# KiCad board kimotor-project.kicad_pcb (continued)
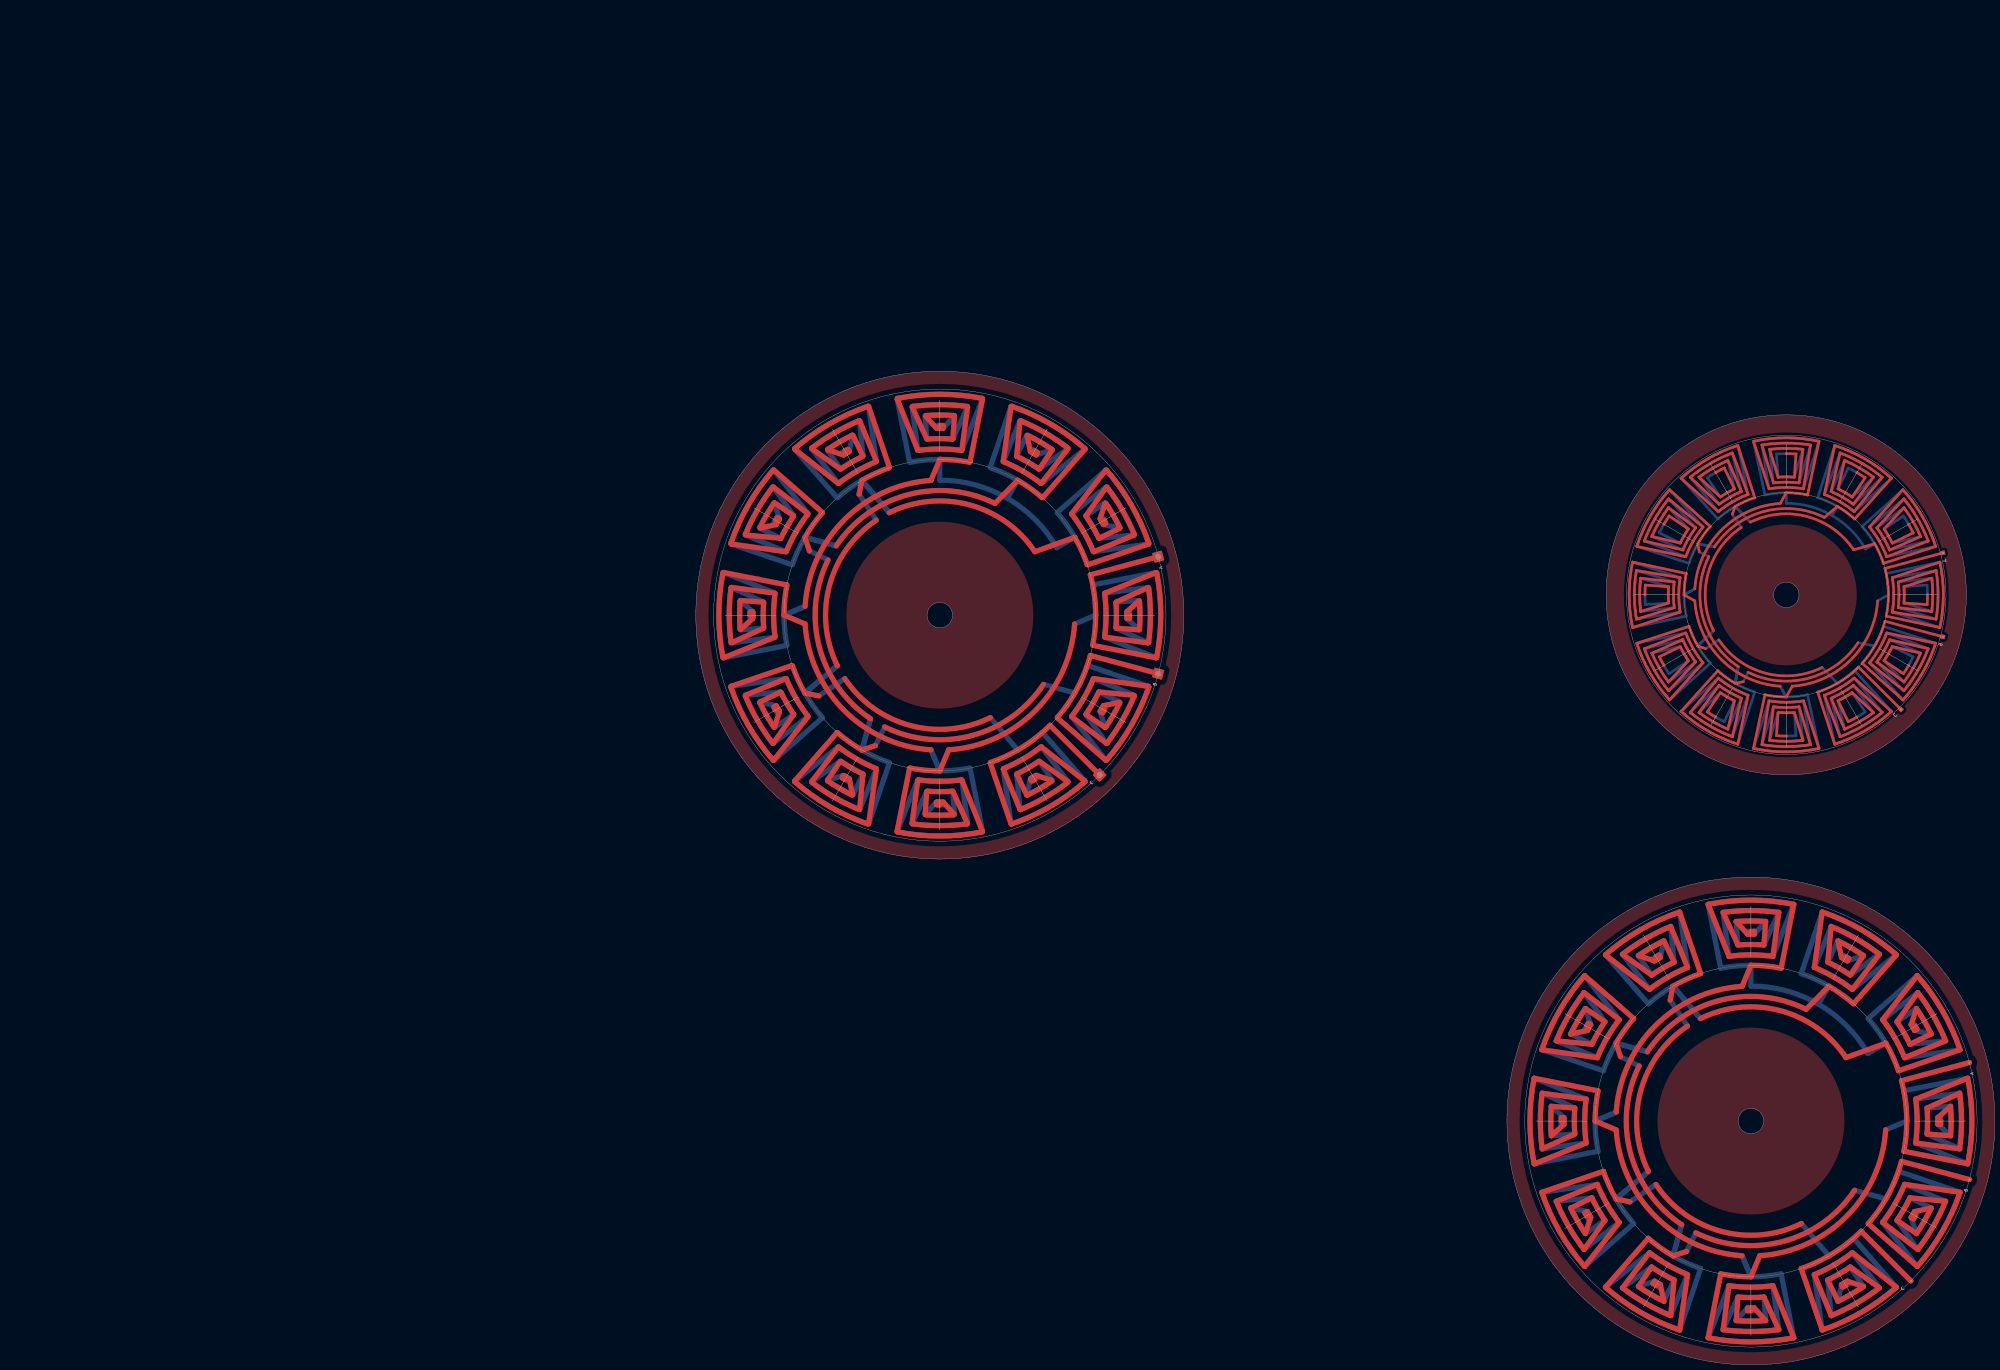
[diagram p0: board, top side]
## Routing (per net, layer and track width the routed paths; a pad name or vN(x,y) marks a point on that pad's centre or on a via; arc(x,y) is an arc through that point) (continued)

## Copper pours and planes (outline as drawn; the poured copper is in the pictures)
gnd on Top, Bottom, In1.Cu, In2.Cu: 454.43,301.57 454.37,299.84 454.21,298.11 453.94,296.4 453.56,294.71 453.08,293.04 452.49,291.41 451.8,289.82 451.01,288.28 450.13,286.78 449.16,285.35 448.1,283.98 446.95,282.68 445.72,281.45 444.42,280.31 443.05,279.25 441.62,278.27 440.13,277.39 438.58,276.6 436.99,275.91 435.36,275.33 433.7,274.84 432.01,274.46 430.29,274.19 428.57,274.03 426.84,273.98 425.1,274.03 423.38,274.19 421.67,274.46 419.97,274.84 418.31,275.33 416.68,275.91 415.09,276.6 413.54,277.39 412.05,278.27 410.62,279.25 409.25,280.31 407.95,281.45 406.72,282.68 405.58,283.98 404.51,285.35 403.54,286.78 402.66,288.28 401.87,289.82 401.18,291.41 400.59,293.04 400.11,294.71 399.73,296.4 399.46,298.11 399.3,299.84 399.24,301.57 399.3,303.3 399.46,305.03 399.73,306.74 400.11,308.43 400.59,310.09 401.18,311.73 401.87,313.32 402.66,314.86 403.54,316.35 404.51,317.79 405.58,319.16 406.72,320.46 407.95,321.68 409.25,322.83 410.62,323.89 412.05,324.86 413.54,325.75 415.09,326.53 416.68,327.22 418.31,327.81 419.97,328.29 421.67,328.67 423.38,328.94 425.1,329.11 426.84,329.16 428.57,329.11 430.29,328.94 432.01,328.67 433.7,328.29 435.36,327.81 436.99,327.22 438.58,326.53 440.13,325.75 441.62,324.86 443.05,323.89 444.42,322.83 445.72,321.68 446.95,320.46 448.1,319.16 449.16,317.79 450.13,316.35 451.01,314.86 451.8,313.32 452.49,311.73 453.08,310.09 453.56,308.43 453.94,306.74 454.21,305.03 454.37,303.3
gnd on Top, Bottom, In1.Cu, In2.Cu: 191.95,293.62 191.76,287.56 191.19,281.53 190.25,275.54 188.92,269.63 187.23,263.81 185.18,258.11 182.78,252.55 180.02,247.15 176.94,241.93 173.53,236.92 169.82,232.13 165.81,227.59 161.53,223.3 156.98,219.3 152.19,215.58 147.18,212.18 141.97,209.09 136.57,206.34 131.01,203.93 125.31,201.88 119.49,200.19 113.57,198.87 107.59,197.92 101.56,197.35 95.5,197.16 89.44,197.35 83.41,197.92 77.43,198.87 71.51,200.19 65.69,201.88 59.99,203.93 54.43,206.34 49.03,209.09 43.82,212.18 38.81,215.58 34.02,219.3 29.47,223.3 25.19,227.59 21.18,232.13 17.47,236.92 14.06,241.93 10.98,247.15 8.22,252.55 5.82,258.11 3.77,263.81 2.08,269.63 0.75,275.54 -0.19,281.53 -0.76,287.56 -0.96,293.62 -0.76,299.67 -0.19,305.71 0.75,311.69 2.08,317.6 3.77,323.42 5.82,329.12 8.22,334.68 10.98,340.08 14.06,345.3 17.47,350.31 21.18,355.1 25.19,359.64 29.47,363.93 34.02,367.94 38.81,371.65 43.82,375.06 49.03,378.14 54.43,380.89 59.99,383.3 65.69,385.35 71.51,387.04 77.43,388.36 83.41,389.31 89.44,389.88 95.5,390.07 101.56,389.88 107.59,389.31 113.57,388.36 119.49,387.04 125.31,385.35 131.01,383.3 136.57,380.89 141.97,378.14 147.18,375.06 152.19,371.65 156.98,367.94 161.53,363.93 165.81,359.64 169.82,355.1 173.53,350.31 176.94,345.3 180.02,340.08 182.78,334.68 185.18,329.12 187.23,323.42 188.92,317.6 190.25,311.69 191.19,305.71 191.76,299.67 ; 1 cut-out
gnd on Top, Bottom, In1.Cu, In2.Cu: 498.04,301.57 497.9,297.1 497.48,292.64 496.78,288.23 495.8,283.86 494.56,279.56 493.04,275.36 491.26,271.25 489.23,267.26 486.96,263.41 484.44,259.71 481.7,256.18 478.74,252.82 475.58,249.66 472.22,246.7 468.69,243.96 464.99,241.45 461.14,239.17 457.15,237.14 453.05,235.36 448.84,233.85 444.54,232.6 440.18,231.62 435.76,230.92 431.31,230.5 426.84,230.36 422.36,230.5 417.91,230.92 413.49,231.62 409.13,232.6 404.83,233.85 400.62,235.36 396.52,237.14 392.53,239.17 388.68,241.45 384.98,243.96 381.45,246.7 378.09,249.66 374.93,252.82 371.97,256.18 369.23,259.71 366.72,263.41 364.44,267.26 362.41,271.25 360.63,275.36 359.12,279.56 357.87,283.86 356.89,288.23 356.19,292.64 355.77,297.1 355.63,301.57 355.77,306.04 356.19,310.49 356.89,314.91 357.87,319.28 359.12,323.57 360.63,327.78 362.41,331.89 364.44,335.87 366.72,339.72 369.23,343.42 371.97,346.96 374.93,350.31 378.09,353.47 381.45,356.43 384.98,359.17 388.68,361.69 392.53,363.97 396.52,366 400.62,367.77 404.83,369.29 409.13,370.54 413.49,371.51 417.91,372.21 422.36,372.63 426.84,372.77 431.31,372.63 435.76,372.21 440.18,371.51 444.54,370.54 448.84,369.29 453.05,367.77 457.15,366 461.14,363.97 464.99,361.69 468.69,359.17 472.22,356.43 475.58,353.47 478.74,350.31 481.7,346.96 484.44,343.42 486.96,339.72 489.23,335.87 491.26,331.89 493.04,327.78 494.56,323.57 495.8,319.28 496.78,314.91 497.48,310.49 497.9,306.04 ; 1 cut-out
gnd on Top, Bottom, In1.Cu, In2.Cu: 449.6,95.5 449.53,93.2 449.32,90.91 448.96,88.64 448.45,86.4 447.81,84.19 447.03,82.03 446.12,79.92 445.08,77.87 443.91,75.89 442.62,73.99 441.21,72.18 439.69,70.45 438.06,68.83 436.34,67.31 434.52,65.9 432.62,64.6 430.64,63.43 428.59,62.39 426.48,61.48 424.32,60.7 422.11,60.06 419.87,59.56 417.6,59.2 415.31,58.98 413.01,58.91 410.71,58.98 408.43,59.2 406.16,59.56 403.91,60.06 401.7,60.7 399.54,61.48 397.43,62.39 395.38,63.43 393.41,64.6 391.5,65.9 389.69,67.31 387.96,68.83 386.34,70.45 384.82,72.18 383.41,73.99 382.12,75.89 380.95,77.87 379.9,79.92 378.99,82.03 378.21,84.19 377.57,86.4 377.07,88.64 376.71,90.91 376.49,93.2 376.42,95.5 376.49,97.8 376.71,100.09 377.07,102.36 377.57,104.6 378.21,106.81 378.99,108.97 379.9,111.08 380.95,113.13 382.12,115.11 383.41,117.01 384.82,118.82 386.34,120.55 387.96,122.17 389.69,123.69 391.5,125.1 393.41,126.4 395.38,127.57 397.43,128.61 399.54,129.52 401.7,130.3 403.91,130.94 406.16,131.44 408.43,131.8 410.71,132.02 413.01,132.09 415.31,132.02 417.6,131.8 419.87,131.44 422.11,130.94 424.32,130.3 426.48,129.52 428.59,128.61 430.64,127.57 432.62,126.4 434.52,125.1 436.34,123.69 438.06,122.17 439.69,120.55 441.21,118.82 442.62,117.01 443.91,115.11 445.08,113.13 446.12,111.08 447.03,108.97 447.81,106.81 448.45,104.6 448.96,102.36 449.32,100.09 449.53,97.8
gnd on Top, Bottom, In1.Cu, In2.Cu: 509.47,95.5 509.28,89.44 508.71,83.41 507.76,77.43 506.44,71.51 504.75,65.69 502.69,59.99 500.29,54.43 497.54,49.03 494.45,43.82 491.05,38.81 487.33,34.02 483.33,29.47 479.04,25.19 474.5,21.18 469.71,17.47 464.7,14.06 459.48,10.98 454.08,8.22 448.52,5.82 442.82,3.77 437,2.08 431.09,0.75 425.1,-0.19 419.07,-0.76 413.01,-0.95 406.96,-0.76 400.92,-0.19 394.94,0.75 389.03,2.08 383.21,3.77 377.5,5.82 371.94,8.22 366.54,10.98 361.33,14.06 356.32,17.47 351.53,21.18 346.98,25.19 342.7,29.47 338.69,34.02 334.98,38.81 331.57,43.82 328.49,49.03 325.74,54.43 323.33,59.99 321.28,65.69 319.59,71.51 318.27,77.43 317.32,83.41 316.75,89.44 316.56,95.5 316.75,101.56 317.32,107.59 318.27,113.57 319.59,119.49 321.28,125.31 323.33,131.01 325.74,136.57 328.49,141.97 331.57,147.18 334.98,152.19 338.69,156.98 342.7,161.53 346.98,165.81 351.53,169.82 356.32,173.53 361.33,176.94 366.54,180.02 371.94,182.78 377.5,185.18 383.21,187.23 389.03,188.92 394.94,190.25 400.92,191.19 406.96,191.76 413.01,191.96 419.07,191.76 425.1,191.19 431.09,190.25 437,188.92 442.82,187.23 448.52,185.18 454.08,182.78 459.48,180.02 464.7,176.94 469.71,173.53 474.5,169.82 479.04,165.81 483.33,161.53 487.33,156.98 491.05,152.19 494.45,147.18 497.54,141.97 500.29,136.57 502.69,131.01 504.75,125.31 506.44,119.49 507.76,113.57 508.71,107.59 509.28,101.56 ; 1 cut-out
gnd on Top, Bottom, In1.Cu, In2.Cu: 132.09,293.62 132.02,291.32 131.8,289.03 131.44,286.76 130.94,284.52 130.3,282.31 129.52,280.15 128.61,278.04 127.57,275.99 126.4,274.01 125.1,272.11 123.69,270.29 122.17,268.57 120.55,266.94 118.82,265.42 117.01,264.01 115.11,262.72 113.13,261.55 111.08,260.51 108.97,259.59 106.81,258.82 104.6,258.17 102.36,257.67 100.09,257.31 97.8,257.1 95.5,257.02 93.2,257.1 90.91,257.31 88.64,257.67 86.4,258.17 84.19,258.82 82.03,259.59 79.92,260.51 77.87,261.55 75.89,262.72 73.99,264.01 72.18,265.42 70.45,266.94 68.83,268.57 67.31,270.29 65.9,272.11 64.6,274.01 63.43,275.99 62.39,278.04 61.48,280.15 60.7,282.31 60.06,284.52 59.56,286.76 59.2,289.03 58.98,291.32 58.91,293.62 58.98,295.91 59.2,298.2 59.56,300.47 60.06,302.72 60.7,304.92 61.48,307.09 62.39,309.2 63.43,311.24 64.6,313.22 65.9,315.12 67.31,316.94 68.83,318.67 70.45,320.29 72.18,321.81 73.99,323.22 75.89,324.51 77.87,325.68 79.92,326.73 82.03,327.64 84.19,328.42 86.4,329.06 88.64,329.56 90.91,329.92 93.2,330.14 95.5,330.21 97.8,330.14 100.09,329.92 102.36,329.56 104.6,329.06 106.81,328.42 108.97,327.64 111.08,326.73 113.13,325.68 115.11,324.51 117.01,323.22 118.82,321.81 120.55,320.29 122.17,318.67 123.69,316.94 125.1,315.12 126.4,313.22 127.57,311.24 128.61,309.2 129.52,307.09 130.3,304.92 130.94,302.72 131.44,300.47 131.8,298.2 132.02,295.91

## Text on the board
F.Silkscreen: C | B | A
